# Altium PCB WX0.000.863拼板.PcbDoc (part 9 of 15) (continued)
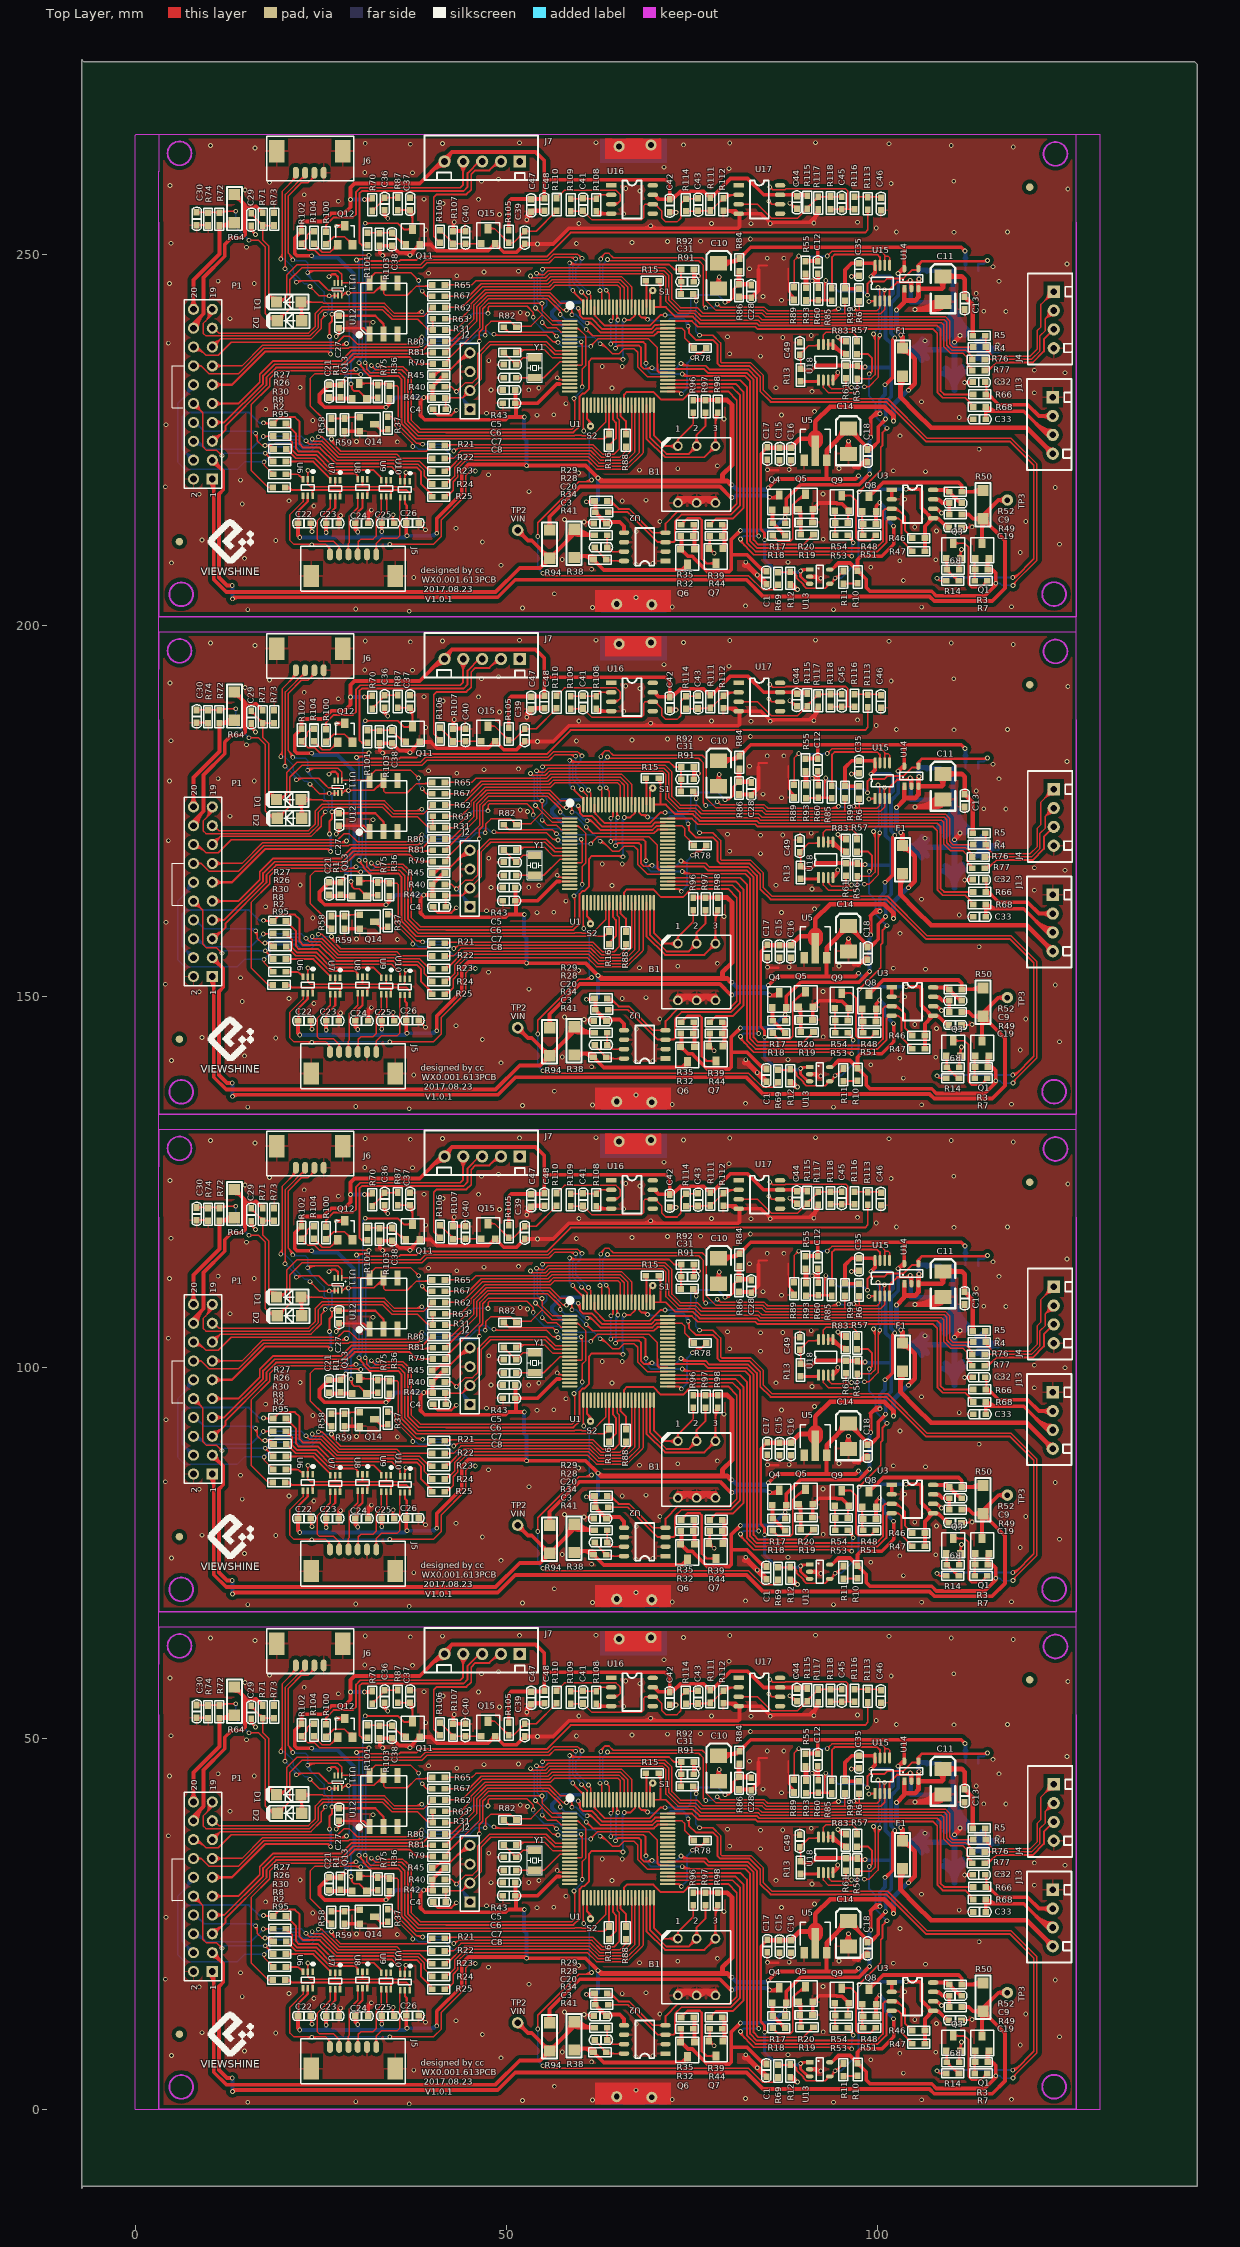
[diagram p0: Top Layer view]
## Nets (pads, with @x,y where several pads share a name; then routed paths per layer and width w, separated by ;. In a path a pad name is that pad's centre, name@x,y a point inside that pad or via, vN(x,y) a via of type N, cw(c..) or ccw(c..) an arc to the next point about the centre after c; other vN are vias at no path point) (continued)
78.282,214.401 80.558,214.401 81.955,215.798 81.955,217.805 ; 78.181,26.052 cw(c79.866,26.052) 78.675,27.243 ; 78.181,26.665 cw(c79.253,26.665) 78.495,27.423 ; 78.181,93.108 cw(c79.866,93.108) 78.675,94.299 ; 78.181,93.721 cw(c79.253,93.721) 78.495,94.479 ; 78.181,160.164 cw(c79.866,160.164) 78.675,161.355 ; 78.181,160.777 cw(c79.253,160.777) 78.495,161.535 ; 78.181,227.22 cw(c79.866,227.22) 78.675,228.411 ; 78.181,227.833 cw(c79.253,227.833) 78.495,228.591 ; 79.375,32.401 79.934,32.401 ; 79.375,99.457 79.934,99.457 ; 79.375,166.513 79.934,166.513 ; 79.375,233.569 79.934,233.569 ; v1(79.451,42.367) 79.985,42.367 80.62,43.002 80.62,44.146 81.305,44.831 ; v1(79.451,109.423) 79.985,109.423 80.62,110.058 80.62,111.202 81.305,111.887 ; v1(79.451,176.479) 79.985,176.479 80.62,177.114 80.62,178.258 81.305,178.943 ; v1(79.451,243.535) 79.985,243.535 80.62,244.17 80.62,245.314 81.305,245.999 ; v1@79.586,42.232 cw(c79.911,41.907) 79.911,42.367 cw(c79.911,42.827) v1@79.586,42.502 ; v1@79.586,109.288 cw(c79.911,108.963) 79.911,109.423 cw(c79.911,109.883) v1@79.586,109.558 ; v1@79.586,176.344 cw(c79.911,176.019) 79.911,176.479 cw(c79.911,176.939) v1@79.586,176.614 ; v1@79.586,243.4 cw(c79.911,243.075) 79.911,243.535 cw(c79.911,243.995) v1@79.586,243.67 ; 80.64,44.166 cw(c81.356,43.451) 81.356,44.463 ; 80.64,111.222 cw(c81.356,110.507) 81.356,111.519 ; 80.64,178.278 cw(c81.356,177.563) 81.356,178.575 ; 80.64,245.334 cw(c81.356,244.619) 81.356,245.631 ; 81.008,44.534 ccw(c80.813,44.729) 81.089,44.729 ; 81.008,111.59 ccw(c80.813,111.785) 81.089,111.785 ; 81.008,178.646 ccw(c80.813,178.841) 81.089,178.841 ; 81.008,245.702 ccw(c80.813,245.897) 81.089,245.897 ; v1@81.496,10.465 ccw(c82.14,10.465) 81.684,10.01 ; v1@81.496,77.521 ccw(c82.14,77.521) 81.684,77.066 ; v1@81.496,144.577 ccw(c82.14,144.577) 81.684,144.122 ; v1@81.496,211.633 ccw(c82.14,211.633) 81.684,211.178 ; v1(81.559,10.465) 81.559,10.135 ; v1(81.559,77.521) 81.559,77.191 ; v1(81.559,144.577) 81.559,144.247 ; v1(81.559,211.633) 81.559,211.303 ; v1@81.75,10.465 ccw(c83.007,10.465) 82.118,9.576 ; v1@81.75,77.521 ccw(c83.007,77.521) 82.118,76.632 ; v1@81.75,144.577 ccw(c83.007,144.577) 82.118,143.688 ; v1@81.75,211.633 ccw(c83.007,211.633) 82.118,210.744 ; 81.955,15.824 81.955,16.637 ; 81.955,82.88 81.955,83.693 ; 81.955,149.936 81.955,150.749 ; 81.955,216.992 81.955,217.805 ; 83.984,46.761 83.984,47.307 85.151,47.307 ; 83.984,113.817 83.984,114.363 85.151,114.363 ; 83.984,180.873 83.984,181.419 85.151,181.419 ; 83.984,247.929 83.984,248.475 85.151,248.475 ; 85.877,10.922 86.639,10.16 88.29,10.16 88.6,10.47 88.6,15.07 88.79,15.26 88.818,15.26 90.068,16.51 ; 85.877,77.978 86.639,77.216 88.29,77.216 88.6,77.526 88.6,82.126 88.79,82.316 88.818,82.316 90.068,83.566 ; 85.877,145.034 86.639,144.272 88.29,144.272 88.6,144.582 88.6,149.182 88.79,149.372 88.818,149.372 90.068,150.622 ; 85.877,212.09 86.639,211.328 88.29,211.328 88.6,211.638 88.6,216.238 88.79,216.428 88.818,216.428 90.068,217.678 ; 85.928,10.655 cw(c85.928,10.134) 86.296,10.503 ; 85.928,77.711 cw(c85.928,77.19) 86.296,77.559 ; 85.928,144.767 cw(c85.928,144.246) 86.296,144.615 ; 85.928,211.823 cw(c85.928,211.302) 86.296,211.671 ; 86.195,10.922 ccw(c86.961,10.922) 86.419,10.38 ; 86.195,77.978 ccw(c86.961,77.978) 86.419,77.436 ; 86.195,145.034 ccw(c86.961,145.034) 86.419,144.492 ; 86.195,212.09 ccw(c86.961,212.09) 86.419,211.548 ; 86.614,5.969 88.697,5.969 ; 86.614,73.025 88.697,73.025 ; 86.614,140.081 88.697,140.081 ; 86.614,207.137 88.697,207.137 ; 86.803,5.78 cw(c87.258,5.325) 87.258,5.969 cw(c87.258,6.613) 86.803,6.158 ; 86.803,72.836 cw(c87.258,72.381) 87.258,73.025 cw(c87.258,73.669) 86.803,73.214 ; 86.803,139.892 cw(c87.258,139.437) 87.258,140.081 cw(c87.258,140.725) 86.803,140.27 ; 86.803,206.948 cw(c87.258,206.493) 87.258,207.137 cw(c87.258,207.781) 86.803,207.326 ; 88.076,5.78 ccw(c87.621,5.325) 87.621,5.969 ccw(c87.621,6.613) 88.076,6.158 ; 88.076,72.836 ccw(c87.621,72.381) 87.621,73.025 ccw(c87.621,73.669) 88.076,73.214 ; 88.076,139.892 ccw(c87.621,139.437) 87.621,140.081 ccw(c87.621,140.725) 88.076,140.27 ; 88.076,206.948 ccw(c87.621,206.493) 87.621,207.137 ccw(c87.621,207.781) 88.076,207.326 ; 88.267,5.956 cw(c88.364,5.142) 88.944,5.722 ; 88.267,73.012 cw(c88.364,72.198) 88.944,72.778 ; 88.267,140.068 cw(c88.364,139.254) 88.944,139.834 ; 88.267,207.124 cw(c88.364,206.31) 88.944,206.89 ; 88.273,5.959 cw(c88.489,5.713) 88.721,5.945 ; 88.273,73.015 cw(c88.489,72.769) 88.721,73.001 ; 88.273,140.071 cw(c88.489,139.825) 88.721,140.057 ; 88.273,207.127 cw(c88.489,206.881) 88.721,207.113 ; 88.441,5.769 cw(c88.669,5.509) 88.913,5.753 ; 88.441,72.825 cw(c88.669,72.565) 88.913,72.809 ; 88.441,139.881 cw(c88.669,139.621) 88.913,139.865 ; 88.441,206.937 cw(c88.669,206.677) 88.913,206.921 ; 88.503,5.85 cw(c88.697,5.753) 88.697,5.969 ; 88.503,6.088 ccw(c88.697,6.185) 88.697,5.969 ; 88.503,72.906 cw(c88.697,72.809) 88.697,73.025 ; 88.503,73.144 ccw(c88.697,73.241) 88.697,73.025 ; 88.503,139.962 cw(c88.697,139.865) 88.697,140.081 ; 88.503,140.2 ccw(c88.697,140.297) 88.697,140.081 ; 88.503,207.018 cw(c88.697,206.921) 88.697,207.137 ; 88.503,207.256 ccw(c88.697,207.353) 88.697,207.137 ; 89.021,15.463 cw(c90.322,14.162) 90.322,16.002 ; 89.021,82.519 cw(c90.322,81.218) 90.322,83.058 ; 89.021,149.575 cw(c90.322,148.274) 90.322,150.114 ; 89.021,216.631 cw(c90.322,215.33) 90.322,217.17 ; 89.455,15.897 cw(c90.322,15.03) 90.322,16.256 ; 89.455,82.953 cw(c90.322,82.086) 90.322,83.312 ; 89.455,150.009 cw(c90.322,149.142) 90.322,150.368 ; 89.455,217.065 cw(c90.322,216.198) 90.322,217.424 ; 90.847,10.507 ccw(c90.305,11.049) 91.071,11.049 ; 90.847,77.563 ccw(c90.305,78.105) 91.071,78.105 ; 90.847,144.619 ccw(c90.305,145.161) 91.071,145.161 ; 90.847,211.675 ccw(c90.305,212.217) 91.071,212.217 ; 90.969,10.63 cw(c91.338,10.261) 91.338,10.782 ; 90.969,77.686 cw(c91.338,77.317) 91.338,77.838 ; 90.969,144.742 cw(c91.338,144.373) 91.338,144.894 ; 90.969,211.798 cw(c91.338,211.429) 91.338,211.95 ; 92.913,42.647 v1@92.913,45.161 ; 92.913,44.522 cw(c93.807,44.522) v1@93.175,45.153 ; 92.913,109.703 v1@92.913,112.217 ; 92.913,111.578 cw(c93.807,111.578) v1@93.175,112.209 ; 92.913,176.759 v1@92.913,179.273 ; 92.913,178.634 cw(c93.807,178.634) v1@93.175,179.265 ; 92.913,243.815 v1@92.913,246.329 ; 92.913,245.69 cw(c93.807,245.69) v1@93.175,246.321 ; 93.094,3.937 ccw(c92.766,4.265) 93.213,4.386 ; 93.094,70.993 ccw(c92.766,71.321) 93.213,71.442 ; 93.094,138.049 ccw(c92.766,138.377) 93.213,138.498 ; 93.094,205.105 ccw(c92.766,205.433) 93.213,205.554 ; 93.581,4.425 92.981,3.824 90.408,3.824 90.056,4.176 90.056,4.28 89.098,5.238 89.098,5.568 88.697,5.969 ; 93.581,71.481 92.981,70.88 90.408,70.88 90.056,71.232 90.056,71.336 89.098,72.294 89.098,72.624 88.697,73.025 ; 93.581,138.537 92.981,137.936 90.408,137.936 90.056,138.288 90.056,138.392 89.098,139.35 89.098,139.68 88.697,140.081 ; 93.581,205.593 92.981,204.992 90.408,204.992 90.056,205.344 90.056,205.448 89.098,206.406 89.098,206.736 88.697,207.137 ; 93.664,44.486 ccw(c93.129,45.021) 93.886,45.021 ; 93.664,111.542 ccw(c93.129,112.077) 93.886,112.077 ; 93.664,178.598 ccw(c93.129,179.133) 93.886,179.133 ; 93.664,245.654 ccw(c93.129,246.189) 93.886,246.189 ; 93.706,4.425 95.428,6.147 ; 93.706,71.481 95.428,73.203 ; 93.706,138.537 95.428,140.259 ; 93.706,205.593 95.428,207.315 ; 93.853,44.247 93.886,44.28 93.886,48.445 94.244,48.804 99.99,48.804 100.345,48.448 100.345,47.345 ; 93.853,111.303 93.886,111.336 93.886,115.501 94.244,115.86 99.99,115.86 100.345,115.504 100.345,114.401 ; 93.853,178.359 93.886,178.392 93.886,182.557 94.244,182.916 99.99,182.916 100.345,182.56 100.345,181.457 ; 93.853,245.415 93.886,245.448 93.886,249.613 94.244,249.972 99.99,249.972 100.345,249.616 100.345,248.513 ; 93.877,4.596 ccw(c93.292,5.182) v1@94.12,5.182 ; 93.877,71.652 ccw(c93.292,72.238) v1@94.12,72.238 ; 93.877,138.708 ccw(c93.292,139.294) v1@94.12,139.294 ; 93.877,205.764 ccw(c93.292,206.35) v1@94.12,206.35 ; 93.886,44.862 ccw(c94.417,44.862) 94.042,44.486 ; 93.886,111.918 ccw(c94.417,111.918) 94.042,111.542 ; 93.886,178.974 ccw(c94.417,178.974) 94.042,178.598 ; 93.886,246.03 ccw(c94.417,246.03) 94.042,245.654 ; 93.954,4.425 cw(c94.554,4.425) 94.13,4.849 ; 93.954,71.481 cw(c94.554,71.481) 94.13,71.905 ; 93.954,138.537 cw(c94.554,138.537) 94.13,138.961 ; 93.954,205.593 cw(c94.554,205.593) 94.13,206.017 ; 94.026,14.041 cw(c93.339,13.355) 94.31,13.355 ; 94.026,81.097 cw(c93.339,80.411) 94.31,80.411 ; 94.026,148.153 cw(c93.339,147.467) 94.31,147.467 ; 94.026,215.209 cw(c93.339,214.523) 94.31,214.523 ; 94.121,11.161 ccw(c93.666,11.617) 94.31,11.617 ccw(c94.954,11.617) 94.498,11.161 ; 94.121,12.435 cw(c93.666,11.98) 94.31,11.98 cw(c94.954,11.98) 94.498,12.435 ; 94.121,12.812 ccw(c93.666,13.268) 94.31,13.268 ccw(c94.954,13.268) 94.498,12.812 ; 94.121,78.217 ccw(c93.666,78.673) 94.31,78.673 ccw(c94.954,78.673) 94.498,78.217 ; 94.121,79.491 cw(c93.666,79.036) 94.31,79.036 cw(c94.954,79.036) 94.498,79.491 ; 94.121,79.868 ccw(c93.666,80.324) 94.31,80.324 ccw(c94.954,80.324) 94.498,79.868 ; 94.121,145.273 ccw(c93.666,145.729) 94.31,145.729 ccw(c94.954,145.729) 94.498,145.273 ; 94.121,146.547 cw(c93.666,146.092) 94.31,146.092 cw(c94.954,146.092) 94.498,146.547 ; 94.121,146.924 ccw(c93.666,147.38) 94.31,147.38 ccw(c94.954,147.38) 94.498,146.924 ; 94.121,212.329 ccw(c93.666,212.785) 94.31,212.785 ccw(c94.954,212.785) 94.498,212.329 ; 94.121,213.603 cw(c93.666,213.148) 94.31,213.148 cw(c94.954,213.148) 94.498,213.603 ; 94.121,213.98 ccw(c93.666,214.436) 94.31,214.436 ccw(c94.954,214.436) 94.498,213.98 ; 94.259,14.275 94.31,14.224 94.31,12.624 94.31,10.973 ; 94.259,81.331 94.31,81.28 94.31,79.68 94.31,78.029 ; 94.259,148.387 94.31,148.336 94.31,146.736 94.31,145.085 ; 94.259,215.443 94.31,215.392 94.31,213.792 94.31,212.141 ; v1@94.31,5.372 ccw(c94.31,6.2) 94.896,5.615 ; 94.31,13.6 cw(c94.934,13.6) 94.492,14.041 ; v1@94.31,72.428 ccw(c94.31,73.256) 94.896,72.671 ; 94.31,80.656 cw(c94.934,80.656) 94.492,81.097 ; v1@94.31,139.484 ccw(c94.31,140.312) 94.896,139.727 ; 94.31,147.712 cw(c94.934,147.712) 94.492,148.153 ; v1@94.31,206.54 ccw(c94.31,207.368) 94.896,206.783 ; 94.31,214.768 cw(c94.934,214.768) 94.492,215.209 ; 94.886,5.605 cw(c95.428,5.063) 95.428,5.829 ; 94.886,72.661 cw(c95.428,72.119) 95.428,72.885 ; 94.886,139.717 cw(c95.428,139.175) 95.428,139.941 ; 94.886,206.773 cw(c95.428,206.231) 95.428,206.997 ; 95.008,5.727 ccw(c94.64,6.096) 95.161,6.096 ; 95.008,72.783 ccw(c94.64,73.152) 95.161,73.152 ; 95.008,139.839 ccw(c94.64,140.208) 95.161,140.208 ; 95.008,206.895 ccw(c94.64,207.264) 95.161,207.264 ; 95.199,16.307 96.469,16.307 97.104,15.672 97.104,10.592 97.442,10.254 99.052,10.254 99.771,10.973 ; 95.199,83.363 96.469,83.363 97.104,82.728 97.104,77.648 97.442,77.31 99.052,77.31 99.771,78.029 ; 95.199,150.419 96.469,150.419 97.104,149.784 97.104,144.704 97.442,144.366 99.052,144.366 99.771,145.085 ; 95.199,217.475 96.469,217.475 97.104,216.84 97.104,211.76 97.442,211.422 99.052,211.422 99.771,212.141 ; 95.428,4.445 97.282,4.445 97.333,4.496 ; 95.428,71.501 97.282,71.501 97.333,71.552 ; 95.428,138.557 97.282,138.557 97.333,138.608 ; 95.428,205.613 97.282,205.613 97.333,205.664 ; 95.432,16.073 cw(c95.996,15.51) 95.996,16.307 cw(c95.996,17.104) 95.432,16.54 ; 95.432,83.129 cw(c95.996,82.566) 95.996,83.363 cw(c95.996,84.16) 95.432,83.596 ; 95.432,150.185 cw(c95.996,149.622) 95.996,150.419 cw(c95.996,151.216) 95.432,150.652 ; 95.432,217.241 cw(c95.996,216.678) 95.996,217.475 cw(c95.996,218.272) 95.432,217.708 ; 95.57,8.341 cw(c95.57,7.153) v1@96.41,7.993 ; 95.57,75.397 cw(c95.57,74.209) v1@96.41,75.049 ; 95.57,142.453 cw(c95.57,141.265) v1@96.41,142.105 ; 95.57,209.509 cw(c95.57,208.321) v1@96.41,209.161 ; 95.616,4.256 cw(c96.072,3.801) 96.072,4.445 cw(c96.072,5.089) 95.616,4.634 ; 95.616,71.312 cw(c96.072,70.857) 96.072,71.501 cw(c96.072,72.145) 95.616,71.69 ; 95.616,138.368 cw(c96.072,137.913) 96.072,138.557 cw(c96.072,139.201) 95.616,138.746 ; 95.616,205.424 cw(c96.072,204.969) 96.072,205.613 cw(c96.072,206.257) 95.616,205.802 ; 95.823,12.812 ccw(c95.368,13.268) 96.012,13.268 ccw(c96.655,13.268) 96.2,12.812 ; 95.823,79.868 ccw(c95.368,80.324) 96.012,80.324 ccw(c96.655,80.324) 96.2,79.868 ; 95.823,146.924 ccw(c95.368,147.38) 96.012,147.38 ccw(c96.655,147.38) 96.2,146.924 ; 95.823,213.98 ccw(c95.368,214.436) 96.012,214.436 ccw(c96.655,214.436) 96.2,213.98 ; 96.012,10.973 v1@96.748,10.236 ; 96.012,12.624 96.012,14.122 96.164,14.275 ; 96.012,13.11 cw(c97.329,13.11) 96.397,14.041 ; 96.012,13.723 cw(c96.716,13.723) 96.218,14.221 ; 96.012,78.029 v1@96.748,77.292 ; 96.012,79.68 96.012,81.178 96.164,81.331 ; 96.012,80.166 cw(c97.329,80.166) 96.397,81.097 ; 96.012,80.779 cw(c96.716,80.779) 96.218,81.277 ; 96.012,145.085 v1@96.748,144.348 ; 96.012,146.736 96.012,148.234 96.164,148.387 ; 96.012,147.222 cw(c97.329,147.222) 96.397,148.153 ; 96.012,147.835 cw(c96.716,147.835) 96.218,148.333 ; 96.012,212.141 v1@96.748,211.404 ; 96.012,213.792 96.012,215.29 96.164,215.443 ; 96.012,214.278 cw(c97.329,214.278) 96.397,215.209 ; 96.012,214.891 cw(c96.716,214.891) 96.218,215.389 ; 96.062,10.706 cw(c96.062,10.185) 96.431,10.553 ; 96.062,77.762 cw(c96.062,77.241) 96.431,77.609 ; 96.062,144.818 cw(c96.062,144.297) 96.431,144.665 ; 96.062,211.874 cw(c96.062,211.353) 96.431,211.721 ; 96.183,8.341 cw(c96.183,7.766) v1@96.59,8.173 ; 96.183,75.397 cw(c96.183,74.822) v1@96.59,75.229 ; 96.183,142.453 cw(c96.183,141.878) v1@96.59,142.285 ; 96.183,209.509 cw(c96.183,208.934) v1@96.59,209.341 ; 96.225,10.759 cw(c95.423,9.957) v1@96.558,9.957 ; 96.225,77.815 cw(c95.423,77.013) v1@96.558,77.013 ; 96.225,144.871 cw(c95.423,144.069) v1@96.558,144.069 ; 96.225,211.927 cw(c95.423,211.125) v1@96.558,211.125 ; 96.329,10.973 ccw(c97.096,10.973) 96.554,10.431 ; 96.329,78.029 ccw(c97.096,78.029) 96.554,77.487 ; 96.329,145.085 ccw(c97.096,145.085) 96.554,144.543 ; 96.329,212.141 ccw(c97.096,212.141) 96.554,211.599 ; v1(96.545,8.128) 96.332,8.341 83.353,8.341 81.559,10.135 ; v1(96.545,75.184) 96.332,75.397 83.353,75.397 81.559,77.191 ; v1(96.545,142.24) 96.332,142.453 83.353,142.453 81.559,144.247 ; v1(96.545,209.296) 96.332,209.509 83.353,209.509 81.559,211.303 ; 96.659,10.325 cw(c96.29,9.957) v1@96.812,9.957 ; 96.659,77.381 cw(c96.29,77.013) v1@96.812,77.013 ; 96.659,144.437 cw(c96.29,144.069) v1@96.812,144.069 ; 96.659,211.493 cw(c96.29,211.125) v1@96.812,211.125 ; 97.144,4.256 ccw(c96.689,3.801) 96.689,4.445 ccw(c96.689,5.089) 97.144,4.634 ; 97.144,71.312 ccw(c96.689,70.857) 96.689,71.501 ccw(c96.689,72.145) 97.144,71.69 ; 97.144,138.368 ccw(c96.689,137.913) 96.689,138.557 ccw(c96.689,139.201) 97.144,138.746 ; 97.144,205.424 ccw(c96.689,204.969) 96.689,205.613 ccw(c96.689,206.257) 97.144,205.802 ; 97.257,35.382 98.755,35.382 99.268,34.869 99.268,33.025 ; 97.257,102.438 98.755,102.438 99.268,101.925 99.268,100.081 ; 97.257,169.494 98.755,169.494 99.268,168.981 99.268,167.137 ; 97.257,236.55 98.755,236.55 99.268,236.037 99.268,234.193 ; 97.445,35.194 cw(c97.9,34.738) 97.9,35.382 cw(c97.9,36.026) 97.445,35.571 ; 97.445,102.25 cw(c97.9,101.794) 97.9,102.438 cw(c97.9,103.082) 97.445,102.627 ; 97.445,169.306 cw(c97.9,168.85) 97.9,169.494 cw(c97.9,170.138) 97.445,169.683 ; 97.445,236.362 cw(c97.9,235.906) 97.9,236.55 cw(c97.9,237.194) 97.445,236.739 ; v1(97.536,16.815) 100.457,19.736 100.457,22.833 100.706,23.082 100.706,24.811 v1(101.295,25.4) ; v1@97.536,17.005 ccw(c97.536,17.465) 97.861,17.14 ccw(c98.186,16.815) v1@97.727,16.815 ; v1(97.536,83.871) 100.457,86.792 100.457,89.889 100.706,90.138 100.706,91.867 v1(101.295,92.456) ; v1@97.536,84.061 ccw(c97.536,84.521) 97.861,84.196 ccw(c98.186,83.871) v1@97.727,83.871 ; v1(97.536,150.927) 100.457,153.848 100.457,156.945 100.706,157.194 100.706,158.923 v1(101.295,159.512) ; v1@97.536,151.117 ccw(c97.536,151.577) 97.861,151.252 ccw(c98.186,150.927) v1@97.727,150.927 ; v1(97.536,217.983) 100.457,220.904 100.457,224.001 100.706,224.25 100.706,225.979 v1(101.295,226.568) ; v1@97.536,218.173 ccw(c97.536,218.633) 97.861,218.308 ccw(c98.186,217.983) v1@97.727,217.983 ; 97.709,13.914 cw(c97.145,13.351) 97.942,13.351 cw(c98.739,13.351) 98.175,13.914 ; 97.709,80.97 cw(c97.145,80.407) 97.942,80.407 cw(c98.739,80.407) 98.175,80.97 ; 97.709,148.026 cw(c97.145,147.463) 97.942,147.463 cw(c98.739,147.463) 98.175,148.026 ; 97.709,215.082 cw(c97.145,214.519) 97.942,214.519 cw(c98.739,214.519) 98.175,215.082 ; 97.83,11.161 ccw(c97.558,11.433) 97.942,11.433 ; 97.83,78.217 ccw(c97.558,78.489) 97.942,78.489 ; 97.83,145.273 ccw(c97.558,145.545) 97.942,145.545 ; 97.83,212.329 ccw(c97.558,212.601) 97.942,212.601 ; 97.942,11.546 cw(c99.019,11.546) 98.258,12.308 ; 97.942,11.801 ccw(c98.846,11.801) 98.207,11.161 ; 97.942,13.447 ccw(c99.019,13.447) 98.258,12.685 ; 97.942,14.148 97.942,11.1 98.069,10.973 ; 97.942,78.602 cw(c99.019,78.602) 98.258,79.364 ; 97.942,78.857 ccw(c98.846,78.857) 98.207,78.217 ; 97.942,80.503 ccw(c99.019,80.503) 98.258,79.741 ; 97.942,81.204 97.942,78.156 98.069,78.029 ; 97.942,145.658 cw(c99.019,145.658) 98.258,146.42 ; 97.942,145.913 ccw(c98.846,145.913) 98.207,145.273 ; 97.942,147.559 ccw(c99.019,147.559) 98.258,146.797 ; 97.942,148.26 97.942,145.212 98.069,145.085 ; 97.942,212.714 cw(c99.019,212.714) 98.258,213.476 ; 97.942,212.969 ccw(c98.846,212.969) 98.207,212.329 ; 97.942,214.615 ccw(c99.019,214.615) 98.258,213.853 ; 97.942,215.316 97.942,212.268 98.069,212.141 ; 98.516,54.574 cw(c98.061,54.119) 98.704,54.119 cw(c99.348,54.119) 98.893,54.574 ; 98.516,121.63 cw(c98.061,121.175) 98.704,121.175 cw(c99.348,121.175) 98.893,121.63 ; 98.516,188.686 cw(c98.061,188.231) 98.704,188.231 cw(c99.348,188.231) 98.893,188.686 ; 98.516,255.742 cw(c98.061,255.287) 98.704,255.287 cw(c99.348,255.287) 98.893,255.742 ; v1@98.544,43.442 ccw(c98.219,43.767) 98.679,43.767 ccw(c99.139,43.767) v1@98.814,43.442 ; v1@98.544,110.498 ccw(c98.219,110.823) 98.679,110.823 ccw(c99.139,110.823) v1@98.814,110.498 ; v1@98.544,177.554 ccw(c98.219,177.879) 98.679,177.879 ccw(c99.139,177.879) v1@98.814,177.554 ; v1@98.544,244.61 ccw(c98.219,244.935) 98.679,244.935 ccw(c99.139,244.935) v1@98.814,244.61 ; v1(98.679,43.307) 98.679,44.882 98.958,45.161 100.906,45.161 101.313,45.568 103.505,45.568 104.673,46.736 105.532,46.736 105.532,46.896 ; v1(98.679,110.363) 98.679,111.938 98.958,112.217 100.906,112.217 101.313,112.624 103.505,112.624 104.673,113.792 105.532,113.792 105.532,113.952 ; v1(98.679,177.419) 98.679,178.994 98.958,179.273 100.906,179.273 101.313,179.68 103.505,179.68 104.673,180.848 105.532,180.848 105.532,181.008 ; v1(98.679,244.475) 98.679,246.05 98.958,246.329 100.906,246.329 101.313,246.736 103.505,246.736 104.673,247.904 105.532,247.904 105.532,248.064 ; v1@98.928,32.905 ccw(c98.972,33.321) 99.268,33.025 ; v1@98.928,99.961 ccw(c98.972,100.377) 99.268,100.081 ; v1@98.928,167.017 ccw(c98.972,167.433) 99.268,167.137 ; v1@98.928,234.073 ccw(c98.972,234.489) 99.268,234.193 ; v1@98.933,32.69 99.268,33.025 ; v1@98.933,99.746 99.268,100.081 ; v1@98.933,166.802 99.268,167.137 ; v1@98.933,233.858 99.268,234.193 ; v1@99.098,32.715 cw(c99.435,32.715) 99.197,32.954 ; v1@99.098,99.771 cw(c99.435,99.771) 99.197,100.01 ; v1@99.098,166.827 cw(c99.435,166.827) 99.197,167.066 ; v1@99.098,233.883 cw(c99.435,233.883) 99.197,234.122 ; 99.229,10.431 ccw(c98.687,10.973) 99.453,10.973 ; 99.229,77.487 ccw(c98.687,78.029) 99.453,78.029 ; 99.229,144.543 ccw(c98.687,145.085) 99.453,145.085 ; 99.229,211.599 ccw(c98.687,212.141) 99.453,212.141 ; 99.351,10.553 cw(c99.72,10.185) 99.72,10.706 ; 99.351,77.609 cw(c99.72,77.241) 99.72,77.762 ; 99.351,144.665 cw(c99.72,144.297) 99.72,144.818 ; 99.351,211.721 cw(c99.72,211.353) 99.72,211.874 ; v1@101.105,25.4 cw(c100.645,25.4) 100.97,25.075 cw(c101.295,24.75) v1@101.295,25.209 ; v1@101.105,92.456 cw(c100.645,92.456) 100.97,92.131 cw(c101.295,91.806) v1@101.295,92.266 ; v1@101.105,159.512 cw(c100.645,159.512) 100.97,159.187 cw(c101.295,158.862) v1@101.295,159.321 ; v1@101.105,226.568 cw(c100.645,226.568) 100.97,226.243 cw(c101.295,225.918) v1@101.295,226.377 ; 101.269,12.882 ccw(c101.019,13.132) 101.362,13.216 ; 101.269,79.938 ccw(c101.019,80.188) 101.362,80.272 ; 101.269,146.994 ccw(c101.019,147.244) 101.362,147.328 ; 101.269,214.05 ccw(c101.019,214.3) 101.362,214.384 ; 101.409,14.403 ccw(c101.105,14.1) 101.105,14.529 ccw(c101.105,14.958) 101.409,14.655 ; 101.409,81.459 ccw(c101.105,81.156) 101.105,81.585 ccw(c101.105,82.014) 101.409,81.711 ; 101.409,148.515 ccw(c101.105,148.212) 101.105,148.641 ccw(c101.105,149.07) 101.409,148.767 ; 101.409,215.571 ccw(c101.105,215.268) 101.105,215.697 ccw(c101.105,216.126) 101.409,215.823 ; 102.281,14.591 cw(c102.452,14.349) 102.662,14.559 ; 102.281,81.647 cw(c102.452,81.405) 102.662,81.615 ; 102.281,148.703 cw(c102.452,148.461) 102.662,148.671 ; 102.281,215.759 cw(c102.452,215.517) 102.662,215.727 ; 102.325,14.351 cw(c102.325,13.036) 103.255,13.966 ; 102.325,14.605 cw(c102.325,13.903) 102.821,14.4 ; 102.325,81.407 cw(c102.325,80.092) 103.255,81.022 ; 102.325,81.661 cw(c102.325,80.959) 102.821,81.456 ; 102.325,148.463 cw(c102.325,147.148) 103.255,148.078 ; 102.325,148.717 cw(c102.325,148.015) 102.821,148.512 ; 102.325,215.519 cw(c102.325,214.204) 103.255,215.134 ; 102.325,215.773 cw(c102.325,215.071) 102.821,215.568 ; 102.428,14.384 cw(c102.629,14.099) 102.875,14.345 ; 102.428,81.44 cw(c102.629,81.155) 102.875,81.401 ; 102.428,148.496 cw(c102.629,148.211) 102.875,148.457 ; 102.428,215.552 cw(c102.629,215.267) 102.875,215.513 ; 102.451,13.133 cw(c102.754,12.83) 102.754,13.259 cw(c102.754,13.688) 102.451,13.385 ; 102.451,80.189 cw(c102.754,79.886) 102.754,80.315 cw(c102.754,80.744) 102.451,80.441 ; 102.451,147.245 cw(c102.754,146.942) 102.754,147.371 cw(c102.754,147.8) 102.451,147.497 ; 102.451,214.301 cw(c102.754,213.998) 102.754,214.427 cw(c102.754,214.856) 102.451,214.553 ; 102.465,14.419 cw(c102.692,14.239) 102.692,14.529 ; 102.465,14.639 ccw(c102.692,14.818) 102.692,14.529 ; 102.465,81.475 cw(c102.692,81.295) 102.692,81.585 ; 102.465,81.695 ccw(c102.692,81.874) 102.692,81.585 ; 102.465,148.531 cw(c102.692,148.351) 102.692,148.641 ; 102.465,148.751 ccw(c102.692,148.93) 102.692,148.641 ; 102.465,215.587 cw(c102.692,215.407) 102.692,215.697 ; 102.465,215.807 ccw(c102.692,215.986) 102.692,215.697 ; 104.182,9.356 cw(c103.64,8.814) 104.406,8.814 ; 104.182,11.134 cw(c103.64,10.592) 104.406,10.592 ; 104.182,76.412 cw(c103.64,75.87) 104.406,75.87 ; 104.182,78.19 cw(c103.64,77.648) 104.406,77.648 ; 104.182,143.468 cw(c103.64,142.926) 104.406,142.926 ; 104.182,145.246 cw(c103.64,144.704) 104.406,144.704 ; 104.182,210.524 cw(c103.64,209.982) 104.406,209.982 ; 104.182,212.302 cw(c103.64,211.76) 104.406,211.76 ; 104.304,9.233 ccw(c104.673,9.602) 104.673,9.08 ; 104.304,11.011 ccw(c104.673,11.38) 104.673,10.858 ; 104.304,76.289 ccw(c104.673,76.658) 104.673,76.136 ; 104.304,78.067 ccw(c104.673,78.436) 104.673,77.915 ; 104.304,143.345 ccw(c104.673,143.714) 104.673,143.192 ; 104.304,145.123 ccw(c104.673,145.492) 104.673,144.97 ; 104.304,210.401 ccw(c104.673,210.77) 104.673,210.248 ; 104.304,212.179 ccw(c104.673,212.548) 104.673,212.026 ; 104.724,10.592 103.708,11.608 103.708,13.513 102.692,14.529 ; 104.724,77.648 103.708,78.664 103.708,80.569 102.692,81.585 ; 104.724,144.704 103.708,145.72 103.708,147.625 102.692,148.641 ; 104.724,211.76 103.708,212.776 103.708,214.681 102.692,215.697 ; 105.018,46.736 cw(c105.018,46.157) 105.427,46.566 ; 105.018,113.792 cw(c105.018,113.213) 105.427,113.622 ; 105.018,180.848 cw(c105.018,180.269) 105.427,180.678 ; 105.018,247.904 cw(c105.018,247.325) 105.427,247.734 ; v1@108.052,4.966 cw(c108.052,4.506) 108.377,4.831 cw(c108.702,5.156) v1@108.242,5.156 ; v1(108.052,5.156) 108.382,4.826 109.296,4.826 ; v1@108.052,72.022 cw(c108.052,71.562) 108.377,71.887 cw(c108.702,72.212) v1@108.242,72.212 ; v1(108.052,72.212) 108.382,71.882 109.296,71.882 ; v1@108.052,139.078 cw(c108.052,138.618) 108.377,138.943 cw(c108.702,139.268) v1@108.242,139.268 ; v1(108.052,139.268) 108.382,138.938 109.296,138.938 ; v1@108.052,206.134 cw(c108.052,205.674) 108.377,205.999 cw(c108.702,206.324) v1@108.242,206.324 ; v1(108.052,206.324) 108.382,205.994 109.296,205.994 ; 109.057,4.637 ccw(c108.602,4.182) 108.602,4.826 ccw(c108.602,5.47) 109.057,5.015 ; 109.057,71.693 ccw(c108.602,71.238) 108.602,71.882 ccw(c108.602,72.526) 109.057,72.071 ; 109.057,138.749 ccw(c108.602,138.294) 108.602,138.938 ccw(c108.602,139.582) 109.057,139.127 ; 109.057,205.805 ccw(c108.602,205.35) 108.602,205.994 ccw(c108.602,206.638) 109.057,206.183 ; 110.236,9.881 111.735,9.881 112.293,9.322 112.293,4.394 112.337,4.351 112.337,4.298 112.723,3.912 113.894,3.912 114.808,4.826 ; 110.236,76.937 111.735,76.937 112.293,76.378 112.293,71.45 112.337,71.407 112.337,71.354 112.723,70.968 113.894,70.968 114.808,71.882 ; 110.236,143.993 111.735,143.993 112.293,143.434 112.293,138.506 112.337,138.463 112.337,138.41 112.723,138.024 113.894,138.024 114.808,138.938 ; 110.236,211.049 111.735,211.049 112.293,210.49 112.293,205.562 112.337,205.519 112.337,205.466 112.723,205.08 113.894,205.08 114.808,205.994 ; 110.469,9.647 cw(c111.033,9.083) 111.033,9.881 cw(c111.033,10.678) 110.469,10.114 ; 110.469,76.703 cw(c111.033,76.139) 111.033,76.937 cw(c111.033,77.734) 110.469,77.17 ; 110.469,143.759 cw(c111.033,143.195) 111.033,143.993 cw(c111.033,144.79) 110.469,144.226 ; 110.469,210.815 cw(c111.033,210.251) 111.033,211.049 cw(c111.033,211.846) 110.469,211.282 ; 112.232,29.099 cw(c111.377,28.245) 112.585,28.245 ; 112.232,96.155 cw(c111.377,95.301) 112.585,95.301 ; 112.232,163.211 cw(c111.377,162.357) 112.585,162.357 ; 112.232,230.267 cw(c111.377,229.413) 112.585,229.413 ; 112.665,28.665 cw(c112.245,28.245) 112.84,28.245 ; 112.665,95.721 cw(c112.245,95.301) 112.84,95.301 ; 112.665,162.777 cw(c112.245,162.357) 112.84,162.357 ; 112.665,229.833 cw(c112.245,229.413) 112.84,229.413 ; 112.689,29.758 ccw(c112.234,29.303) 112.234,29.947 ccw(c112.234,30.59) 112.689,30.135 ; 112.689,96.814 ccw(c112.234,96.359) 112.234,97.003 ccw(c112.234,97.646) 112.689,97.191 ; 112.689,163.87 ccw(c112.234,163.415) 112.234,164.059 ccw(c112.234,164.702) 112.689,164.247 ; 112.689,230.926 ccw(c112.234,230.471) 112.234,231.115 ccw(c112.234,231.758) 112.689,231.303 ; 112.918,5.015 ccw(c112.462,5.47) 113.106,5.47 ccw(c113.75,5.47) 113.295,5.015 ; 112.918,6.161 cw(c112.462,5.706) 113.106,5.706 cw(c113.75,5.706) 113.295,6.161 ; 112.918,6.539 ccw(c112.462,6.994) 113.106,6.994 ccw(c113.75,6.994) 113.295,6.539 ; 112.918,72.071 ccw(c112.462,72.526) 113.106,72.526 ccw(c113.75,72.526) 113.295,72.071 ; 112.918,73.217 cw(c112.462,72.762) 113.106,72.762 cw(c113.75,72.762) 113.295,73.217 ; 112.918,73.595 ccw(c112.462,74.05) 113.106,74.05 ccw(c113.75,74.05) 113.295,73.595 ; 112.918,139.127 ccw(c112.462,139.582) 113.106,139.582 ccw(c113.75,139.582) 113.295,139.127 ; 112.918,140.273 cw(c112.462,139.818) 113.106,139.818 cw(c113.75,139.818) 113.295,140.273 ; 112.918,140.651 ccw(c112.462,141.106) 113.106,141.106 ccw(c113.75,141.106) 113.295,140.651 ; 112.918,206.183 ccw(c112.462,206.638) 113.106,206.638 ccw(c113.75,206.638) 113.295,206.183 ; 112.918,207.329 cw(c112.462,206.874) 113.106,206.874 cw(c113.75,206.874) 113.295,207.329 ; 112.918,207.707 ccw(c112.462,208.162) 113.106,208.162 ccw(c113.75,208.162) 113.295,207.707 ; 112.923,7.59 cw(c112.481,7.148) 113.106,7.148 ; 112.923,74.646 cw(c112.481,74.204) 113.106,74.204 ; 112.923,141.702 cw(c112.481,141.26) 113.106,141.26 ; 112.923,208.758 cw(c112.481,208.316) 113.106,208.316 ; 112.928,29.947 108.991,29.947 108.534,30.404 108.534,36.199 108.524,36.209 108.524,38.76 108.077,39.207 89.052,39.207 84.068,39.207 83.76,39.515 76.043,39.515 75.133,40.424 72.784,40.424 71.505,41.703 70.789,41.703 ; 112.928,97.003 108.991,97.003 108.534,97.46 108.534,103.255 108.524,103.265 108.524,105.816 108.077,106.263 89.052,106.263 84.068,106.263 83.76,106.571 76.043,106.571 75.133,107.48 72.784,107.48 71.505,108.759 70.789,108.759